# Altium PCB Copy of BGA_ACUity.PcbDoc (part 5 of 5)
Units mm, origin at the board's own origin, x right, y up, seen from the top; angles counter-clockwise.
Board outline 100 x 100.02 mm, 4 copper layers (TopSignal, Ground, Power, BottomSignal), stack 1.564 mm thick; 444 components, 319 nets, 2039 pads, 69 vias.
Unrouted connection lines stored in the file: 749.
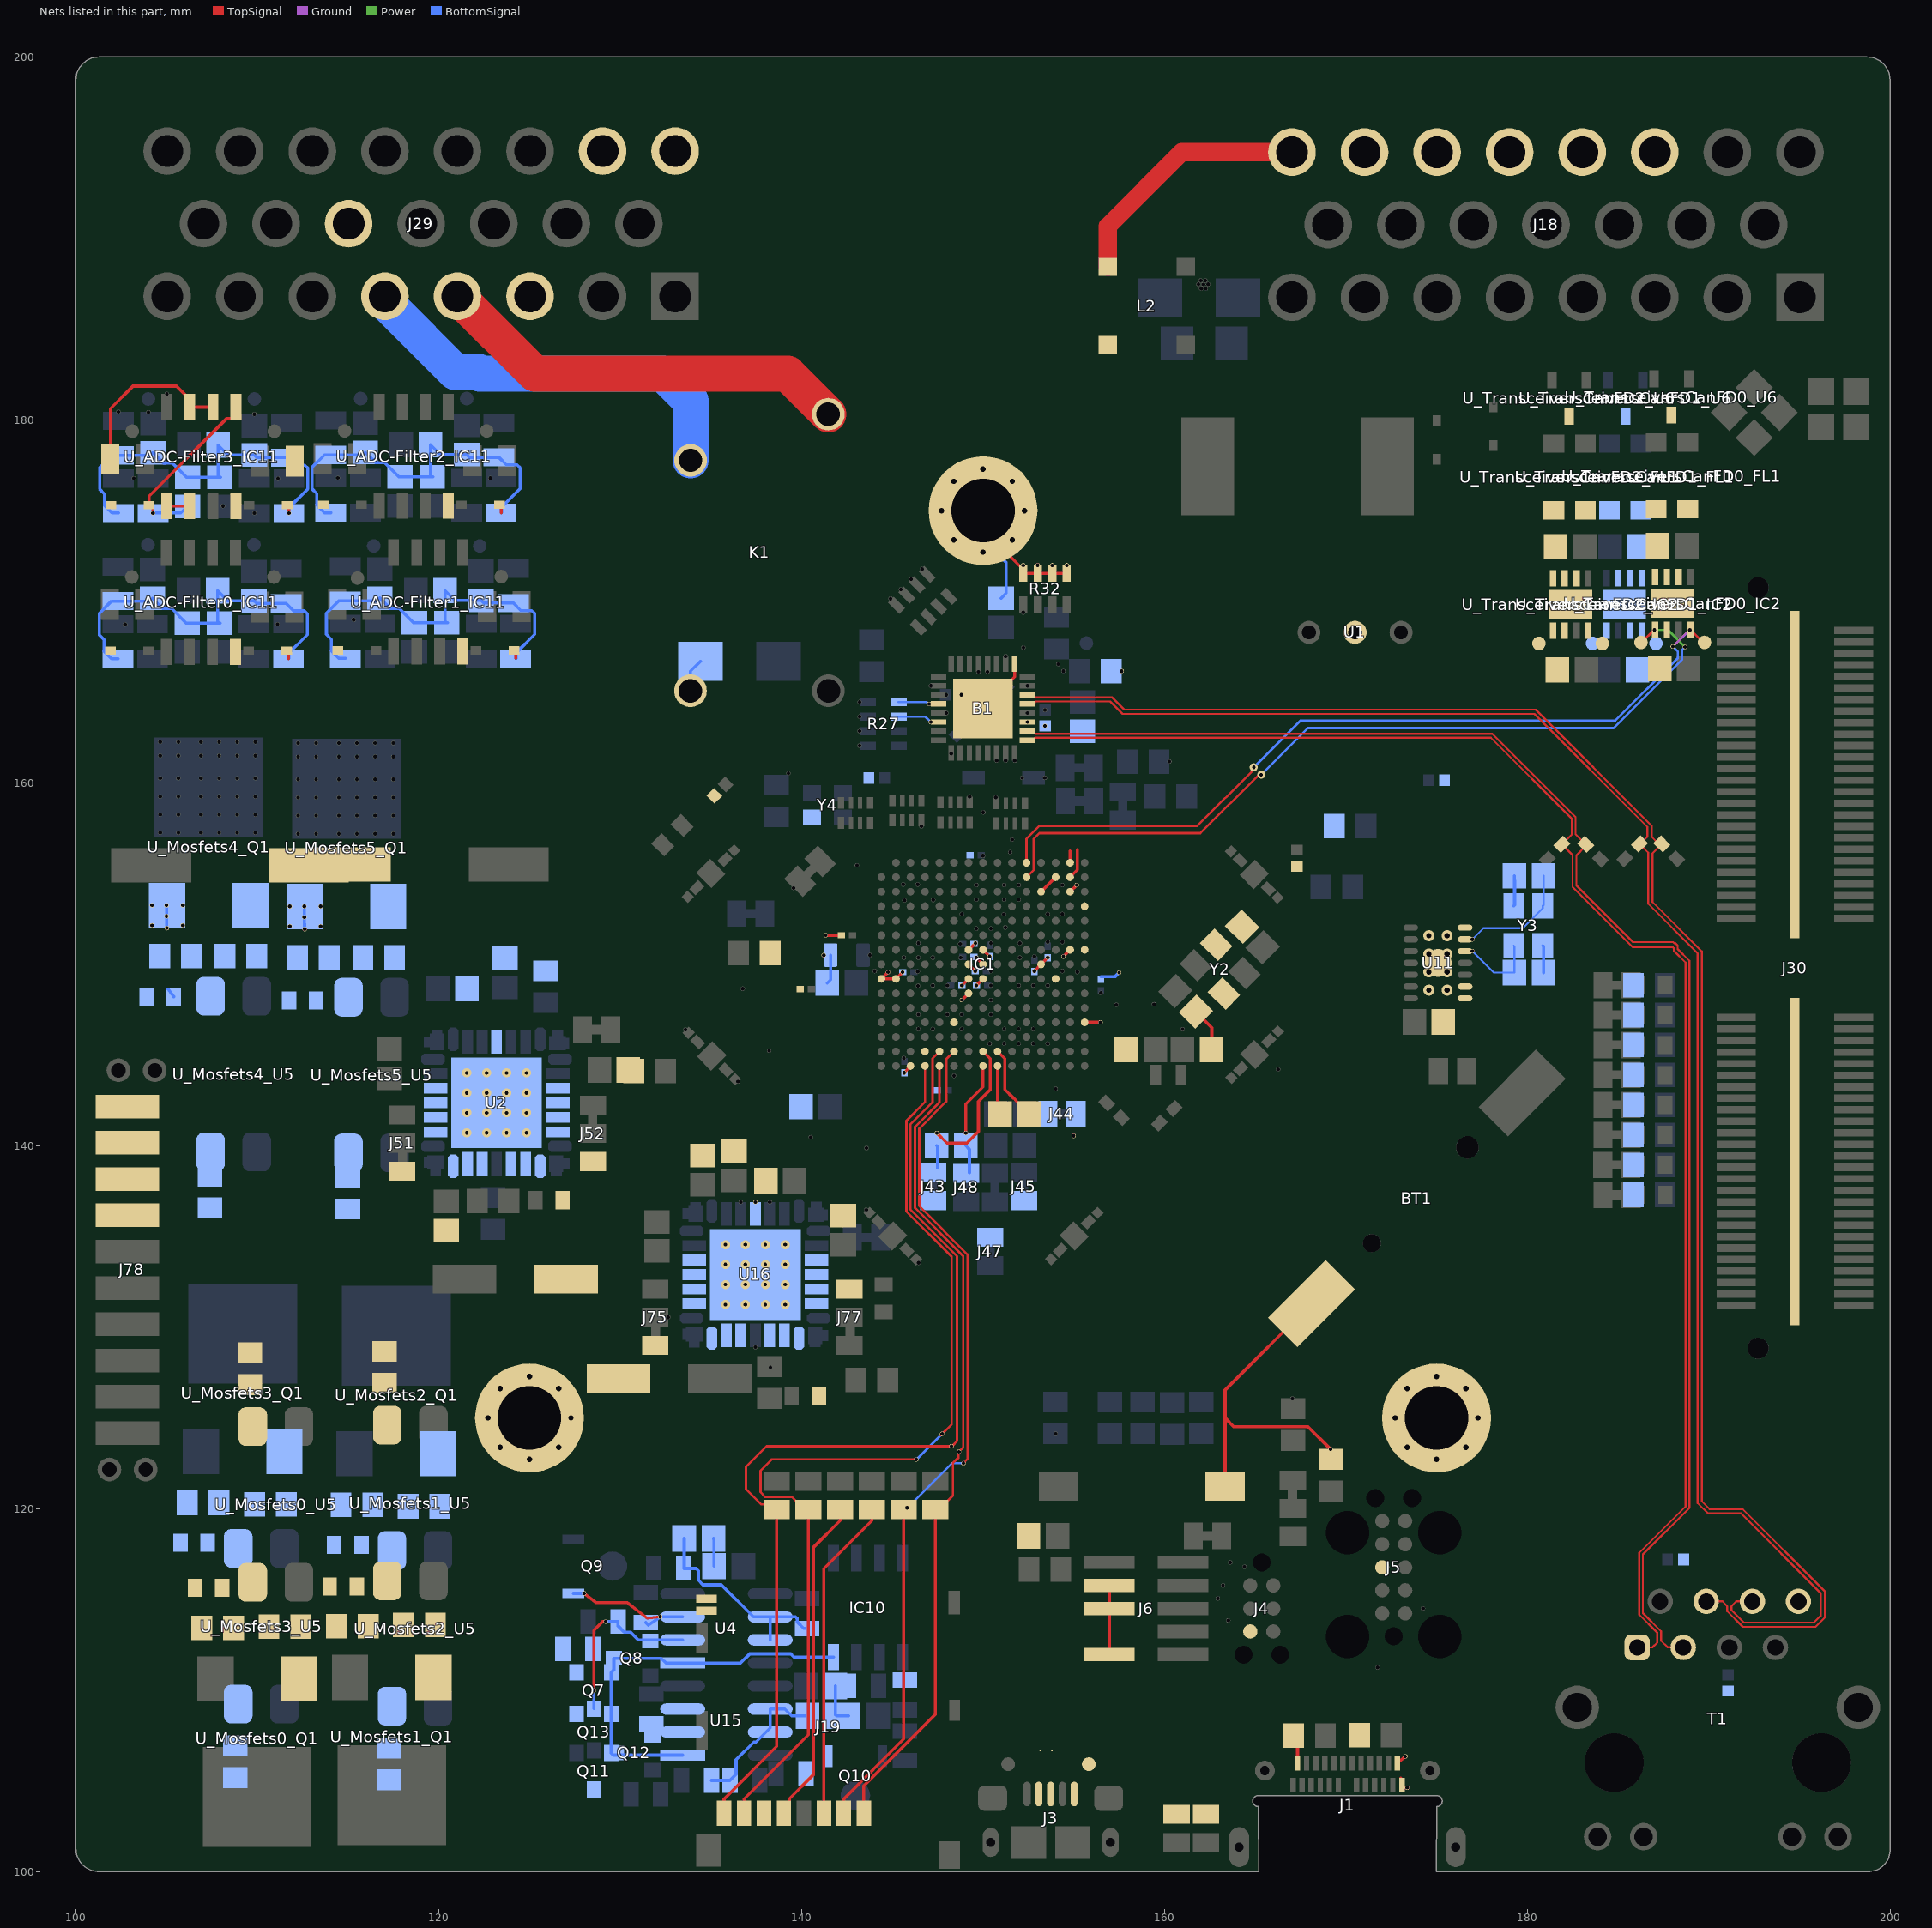
[diagram p7: the nets of this part, all layers, seen from the top]

## Via types
v1: diameter 0.5, hole 0.2, TopSignal to BottomSignal, 32 vias
v2: diameter 0.5, hole 0.3, TopSignal to BottomSignal, 24 vias
v3: diameter 0.6, hole 0.3, TopSignal to BottomSignal, 8 vias
v4: diameter 0.45, hole 0.2, TopSignal to BottomSignal, 5 vias

## Nets (pads, with @x,y where several pads share a name; then routed paths per layer and width w, separated by ;. In a path a pad name is that pad's centre, name@x,y a point inside that pad or via, vN(x,y) a via of type N, cw(c..) or ccw(c..) an arc to the next point about the centre after c; other vN are vias at no path point) (continued)
NetU_ADC-Filter3_C88_2: pad.1@104.247,174.872 U_ADC-Filter3_C88.2 U_ADC-Filter3_D23.2 U_ADC-Filter3_IC11.5 U_ADC-Filter3_R84.1 | length 10.2
  TopSignal w0.171: pad.1@104.247,174.872 104.242,174.877 104.242,175.174 104.102,175.314 U_ADC-Filter3_D23.2@104.032,175.314 104.032,175.795 108.303,180.066 108.604,180.066 108.819,180.281 U_ADC-Filter3_IC11.5@108.819,180.706
  BottomSignal w0.171: pad.1@104.247,174.872 105.786,174.872 U_ADC-Filter3_C88.2@106.152,175.238
NetU_ADC-Filter3_IC11_1: U_ADC-Filter3_IC11.1 U_ADC-Filter3_IC11.2 U_ADC-Filter3_R81.1 | length 1.3
  TopSignal w0.171: U_ADC-Filter3_IC11.1@105.009,175.256 U_ADC-Filter3_IC11.2@106.279,175.256
NetU_ADC-Filter3_IC11_6: U_ADC-Filter3_IC11.6 U_ADC-Filter3_IC11.7 U_ADC-Filter3_R82.2 | length 9.7
  TopSignal w0.171: U_ADC-Filter3_R82.2@101.907,177.861 101.907,180.627 103.146,181.866 105.544,181.866 106.279,181.131 U_ADC-Filter3_IC11.7@106.279,180.706 U_ADC-Filter3_IC11.6@107.549,180.706
NetU_Mosfets0_D16_A: U_Mosfets0_D16.A U_Mosfets0_R46.1
NetU_Mosfets0_Q1_1: U_Mosfets0_Q1.1 U_Mosfets0_R44.2
NetU_Mosfets0_R44_1: U_Mosfets0_R44.1 U_Mosfets0_R46.2 U_Mosfets0_U5.3
NetU_Mosfets0_R45_2: U_Mosfets0_R45.2 U_Mosfets0_U5.2
NetU_Mosfets1_D16_A: U_Mosfets1_D16.A U_Mosfets1_R46.1
NetU_Mosfets1_Q1_1: U_Mosfets1_Q1.1 U_Mosfets1_R44.2
NetU_Mosfets1_R44_1: U_Mosfets1_R44.1 U_Mosfets1_R46.2 U_Mosfets1_U5.3
NetU_Mosfets1_R45_2: U_Mosfets1_R45.2 U_Mosfets1_U5.2
NetU_Mosfets2_D16_A: U_Mosfets2_D16.A U_Mosfets2_R46.1
NetU_Mosfets2_Q1_1: U_Mosfets2_Q1.1 U_Mosfets2_R44.2
NetU_Mosfets2_R44_1: U_Mosfets2_R44.1 U_Mosfets2_R46.2 U_Mosfets2_U5.3
NetU_Mosfets2_R45_2: U_Mosfets2_R45.2 U_Mosfets2_U5.2
NetU_Mosfets3_D16_A: U_Mosfets3_D16.A U_Mosfets3_R46.1
NetU_Mosfets3_Q1_1: U_Mosfets3_Q1.1 U_Mosfets3_R44.2
NetU_Mosfets3_R44_1: U_Mosfets3_R44.1 U_Mosfets3_R46.2 U_Mosfets3_U5.3
NetU_Mosfets3_R45_2: U_Mosfets3_R45.2 U_Mosfets3_U5.2
NetU_Mosfets4_D16_A: U_Mosfets4_D16.A U_Mosfets4_R46.1
NetU_Mosfets4_Q1_1: U_Mosfets4_Q1.1 U_Mosfets4_R44.2
NetU_Mosfets4_R44_1: U_Mosfets4_R44.1 U_Mosfets4_R46.2 U_Mosfets4_U5.3
NetU_Mosfets4_R45_2: U_Mosfets4_R45.2 U_Mosfets4_U5.2
NetU_Mosfets5_D16_A: U_Mosfets5_D16.A U_Mosfets5_R46.1
NetU_Mosfets5_Q1_1: U_Mosfets5_Q1.1 U_Mosfets5_R44.2
NetU_Mosfets5_R44_1: U_Mosfets5_R44.1 U_Mosfets5_R46.2 U_Mosfets5_U5.3
NetU_Mosfets5_R45_2: U_Mosfets5_R45.2 U_Mosfets5_U5.2
NetU_TransceiversCanFD0_FL1_1: U_TransceiversCanFD0_FL1.1 U_TransceiversCanFD0_IC2.6
NetU_TransceiversCanFD0_FL1_4: U_TransceiversCanFD0_FL1.4 U_TransceiversCanFD0_IC2.7
NetU_TransceiversCanFD1_FL1_1: U_TransceiversCanFD1_FL1.1 U_TransceiversCanFD1_IC2.6
NetU_TransceiversCanFD1_FL1_4: U_TransceiversCanFD1_FL1.4 U_TransceiversCanFD1_IC2.7
NetU_TransceiversCanFD2_FL1_1: U_TransceiversCanFD2_FL1.1 U_TransceiversCanFD2_IC2.6
NetU_TransceiversCanFD2_FL1_4: U_TransceiversCanFD2_FL1.4 U_TransceiversCanFD2_IC2.7
"OSC 1_5": C13.2 pad.1@176.975,151.375 U11.6 Y3.1 | length 6.4
  BottomSignal w0.113: pad.1@176.975,151.375 177.591,151.991 179.747,151.991 180.855,153.1 Y3.1@180.855,153.225 180.893,153.263 C13.2@180.893,154.876
"OSC 2_5": C14.2 pad.1@176.975,150.725 U11.5 Y3.3 | length 4.3
  BottomSignal w0.113: pad.1@176.975,150.725 178.158,149.542 C14.2@179.293,149.542 179.293,150.987 Y3.3@179.255,151.025
Outdown_11: Q10.1 R74.1 U15.3
OUTPUT1: J78.01 U2.12 U2.13 U2.14 U2.15
OUTPUT2: J78.02 U2.27 U2.28 U2.29 U2.30
OUTPUT3: J78.03 U16.12 U16.13 U16.14 U16.15
OUTPUT4: J78.04 U16.27 U16.28 U16.29 U16.30
Outup_11: pad.1@128.013,115.333 pad.1@132.209,114.039 Q9.1 R70.1 U4.3 | length 7.5
  TopSignal w0.171: pad.1@128.013,115.333 128.629,114.86 128.675,114.825 130.375,114.825 131.497,113.964 131.565,113.964 131.575,113.965 pad.1@132.209,114.039
  BottomSignal w0.171: Q9.1@127.413,115.333 pad.1@128.013,115.333 ; R70.1@131.412,113.722 131.554,113.58 pad.1@132.209,114.039 U4.3@133.444,114.039
POWER_GND: C9.1 C64.2 C65.2 C66.2 C71.1 C72.1 C73.1 C74.2 C83.1 C84.1 C85.1 C86.1 C87.2 C89.2 C90.2 D14.K D24.K IC5.7 IC5.9 IC5.11 IC7.7 IC7.9 IC7.11 IC8.7 IC8.9 IC8.11 IC9.7 IC9.9 IC9.11 J29.16 J29.17 J51.P0 J52.P2 J59.P0 J60.P2 J63.P0 J64.P0 J66.P2 J67.P2 J68.P0 J72.P2 J75.P0 J77.P2 pad.1@104.197,152.151 pad.1@104.197,153.251 pad.1@104.997,152.651 pad.1@104.997,153.251 pad.1@105.017,151.997 pad.1@105.897,152.151 pad.1@105.897,153.251 pad.1@111.792,152.094 pad.1@111.792,153.194 pad.1@112.592,152.594 pad.1@112.592,153.194 pad.1@112.613,151.941 pad.1@113.492,152.094 pad.1@113.492,153.194 pad.1@137.45,136.9 R41.1 R42.2 R53.1 R54.1 R55.1 R67.1 R68.1 R69.2 U2.5 U2.18 U2.19 U2.20 U2.22 U2.23 U2.24 U3.4 U3.5 U3.14 U3.26 U16.5 U16.18 U16.19 U16.20 U16.22 U16.23 U16.24 U_Mosfets0_D16.K U_Mosfets1_D16.K U_Mosfets2_D16.K U_Mosfets3_D16.K U_Mosfets4_D16.K U_Mosfets4_Q1.3 U_Mosfets5_D16.K U_Mosfets5_Q1.3 VR1.3 | length 3
  BottomSignal w0.171: pad.1@104.997,153.251 105.002,152.659 105.009,152.006 pad.1@105.017,151.997 ; U_Mosfets4_D16.K@105.077,148.637 U_Mosfets4_D16.K@105.392,148.223 ; pad.1@112.592,153.194 112.598,152.602 112.605,151.95 pad.1@112.613,151.941
  other v1: 135.8,131.25 136.9,131.25 138,131.25 139.1,131.25 135.8,132.35 136.9,132.35 138,132.35 139.1,132.35 135.8,133.45 136.9,133.45 138,133.45 139.1,133.45 135.8,134.55 136.9,134.55 138,134.55 139.1,134.55 121.54,140.717 122.64,140.717 123.74,140.717 124.84,140.717 121.54,141.817 122.64,141.817 123.74,141.817 124.84,141.817 121.54,142.917 122.64,142.917 123.74,142.917 124.84,142.917 121.54,144.017 122.64,144.017 123.74,144.017 124.84,144.017
Pulse_11: Q7.1 Q13.1 R91.1
RAW_GND: J18.22 J18.23 J41.P0 L2.1 | length 14.1
  TopSignal w1: L2.1@156.879,188.434 156.879,190.689 160.952,194.762 J18.23@167.028,194.762
RX_CAN0: IC1.A11 pad.1@188.02,167.513 pad.1@188.963,168.426 U_TransceiversCanFD0_IC2.4 U_TransceiversCanFD0_TP6.P2 | length 44.6
  TopSignal w0.131: IC1.A11@152.4,155.6 152.4,156.921 153.103,157.624 161.815,157.624 164.922,160.731 v4(164.922,160.858) ; U_TransceiversCanFD0_IC2.4@188.995,168.443 188.995,168.426 189.678,167.743 U_TransceiversCanFD0_TP6.P2@189.77,167.743
  Ground w0.131: pad.1@188.02,167.513 188.035,167.513 188.948,168.426 pad.1@188.963,168.426
  BottomSignal w0.131: v4(164.922,160.858) 167.49,163.425 184.843,163.425 188.296,166.878 188.296,167.237 188.258,167.275 pad.1@188.02,167.513
RX_CAN1: IC1.D15 U_TransceiversCanFD1_IC2.4 U_TransceiversCanFD1_TP6.P2
RX_CAN2: U11.2 U_TransceiversCanFD2_IC2.4 U_TransceiversCanFD2_TP6.P2
RXCLK_7: B1.20 pad.1@147.025,164.35 R27.5 | length 1.7
  BottomSignal w0.131: R27.5@145.35,164.45 146.892,164.45 146.993,164.35 pad.1@147.025,164.35
SD_CD: IC1.K7 J19.9 J19.10 pad.1@148.832,148.032 | length 0.5
  TopSignal w0.171: pad.1@148.832,148.032 IC1.K7@149.2,148.4
SD_CLK: IC1.P4 J19.5 J56.P0 | length 18
  TopSignal w0.171: J19.5@139.026,103.214 139.338,103.526 139.338,104.022 140.647,105.331 140.647,117.862 142.125,119.34 J56.P0@142.125,119.95
SD_CMD: IC1.M6 J19.3 J55.P0 | length 17.8
  TopSignal w0.171: J19.3@141.226,103.214 141.226,116.691 143.875,119.34 J55.P0@143.875,119.95
SD_DATA0: IC1.R4 J19.7 J57.P0 pad.1@146.323,122.716 pad.1@147.752,124.13 | length 55.3
  TopSignal w0.131: J57.P0@140.375,119.95 140.175,119.95 139.467,120.658 137.981,120.658 137.733,120.906 137.733,122.094 138.355,122.716 pad.1@146.323,122.716 ; IC1.R4@146.8,144.4 146.8,142.404 145.771,141.375 145.771,136.38 148.273,133.878 148.273,124.651 pad.1@147.752,124.13 pad.1@147.672,124.05
  TopSignal w0.171: J19.7@136.826,103.214 136.826,103.999 140.375,107.548 J57.P0@140.375,119.95
  BottomSignal w0.131: pad.1@146.355,122.733 pad.1@147.752,124.13
SD_DATA1: IC1.P5 J19.8 J58.P0 pad.1@148.255,123.445 | length 56.7
  TopSignal w0.131: J58.P0@138.625,119.95 138.342,120.233 137.78,120.233 136.931,121.082 136.931,122.301 138.076,123.445 pad.1@148.255,123.445 ; IC1.P5@147.6,145.2 147.218,144.818 147.218,142.404 146.003,141.189 146.003,136.476 148.568,133.911 148.568,123.72 pad.1@148.327,123.478
  TopSignal w0.171: J19.8@135.726,103.214 135.726,103.999 138.625,106.898 J58.P0@138.625,119.95
SD_DATA2: IC1.R5 J19.1 J53.P0 pad.1@148.667,123.138 | length 45.2
  TopSignal w0.131: J53.P0@147.375,119.95 147.575,119.95 148.339,120.714 148.339,122.511 148.646,122.817 148.646,123.117 pad.1@148.667,123.138 148.908,123.38 148.908,133.922 146.25,136.581 146.25,141.041 147.6,142.392 IC1.R5@147.6,144.4
  TopSignal w0.171: J19.1@143.427,103.214 143.427,104.715 147.375,108.663 J53.P0@147.375,119.95
SD_DATA3: IC1.P6 J19.2 J54.P0 pad.1@145.815,120.049 pad.1@148.92,122.504 | length 46.9
  TopSignal w0.131: IC1.P6@148.4,145.2 147.98,144.78 147.98,142.443 146.482,140.945 146.482,136.677 149.141,134.019 149.141,122.725 pad.1@148.92,122.504
  TopSignal w0.171: J19.2@142.326,103.214 142.326,103.999 145.625,107.298 J54.P0@145.625,119.95
  BottomSignal w0.131: pad.1@145.847,120.066 148.285,122.504 pad.1@148.92,122.504
ShutdownIN_3: J29.4 K1.4 | length 23.1
  TopSignal w2: J29.4@121.031,186.818 125.299,182.55 139.235,182.55 K1.4@141.47,180.315
ShutdownOUT_3: J29.5 K1.3 | length 22.7
  BottomSignal w2: J29.5@117.031,186.818 117.031,186.649 117.343,186.336 117.343,186.206 120.897,182.653 122.151,182.653 122.253,182.55 132.375,182.55 133.88,181.045 K1.3@133.88,177.775
SIGNAL_GND: 1.1 B1.3 B1.9 B1.33 BT1.1 C1.1 C2.1 C3.1 C4.1 C5.1 C8.1 C10.1 C12.1 C13.1 C14.1 C15.1 C16.1 C17.1 C18.1 C19.1 C20.1 C21.1 C22.1 C23.2 C24.2 C25.2 C26.1 C29.1 C30.2 C31.1 C32.2 C33.1 C38.1 C39.1 C40.2 C41.1 C42.2 C43.2 C44.2 C45.2 C46.2 C47.2 C48.2 C49.1 C50.1 C51.1 C52.1 C53.1 C54.1 C55.1 C56.1 C58.1 C59.1 C60.1 C61.1 C62.1 C63.1 C67.1 C69.1 C75.1 C76.1 C77.1 D15.1 IC1.B13 IC1.C12 IC1.G7 IC1.G8 IC1.G14 IC1.G15 IC1.H7 IC1.H8 IC1.H12 IC1.J1 IC1.J2 IC1.J7 IC1.J8 IC1.J13 IC1.R3 IC6.2 IC6.4 IC10.4 J1.A1 J1.A12 J1.B1 J3.5 J4.5 J5.3 J6.03 J6.05 J6.09 J18.18 J18.19 J18.20 J18.21 J19.6 J29.3 J29.13 J30.G1 J30.G2 J32.P0 J36.1 J41.P1 J42.P0 J42.P1 J43.P1 J44.P1 J45.P1 J69.P1 J70.P1 K1.2 L2.2 MTH1.1 MTH2.1 MTH3.1 pad.1@111.74,174.872 pad.1@141.22,150.507 pad.1@141.326,151.6 pad.1@144.768,149.568 pad.1@145.568,149.568 pad.1@145.661,144.024 pad.1@148.805,164.85 pad.1@148.832,148.832 pad.1@149.568,149.632 pad.1@149.581,151.167 pad.1@149.632,148.832 pad.1@149.633,150.367 pad.1@150.368,150.432 pad.1@152.45,163.35 pad.1@152.216,171.988 pad.1@152.832,149.632 pad.1@153.014,171.991 pad.1@153.416,163.136 pad.1@153.568,150.368 pad.1@153.816,171.988 pad.1@154.432,150.432 pad.1@154.616,171.988 pad.1@157.5,149.546 pad.1@157.641,166.157 pad.1@169.158,123.277 pad.1@173.38,104.623 pad.1@173.279,106.35 Q7.2 Q8.3 Q11.2 Q12.3 Q13.2 R2.1 R3.1 R4.2 R11.2 R12.2 R13.2 R14.2 R15.2 R16.2 R17.2 R18.2 R20.2 R31.1 R32.1 R32.2 R32.3 R32.4 R37.1 R40.2 R47.2 R79.2 R92.1 R93.1 S1.2 T1.8 TP1.P2 U1.2 U4.1 U11.7 U11.15 U15.1 U_ADC-Filter0_C78.1 U_ADC-Filter0_C79.1 U_ADC-Filter0_C80.1 U_ADC-Filter0_C81.1 U_ADC-Filter0_C88.1 U_ADC-Filter0_D22.1 U_ADC-Filter0_D23.1 U_ADC-Filter0_IC11.4 U_ADC-Filter0_R85.1 U_ADC-Filter0_R86.1 U_ADC-Filter0_R87.2 U_ADC-Filter0_R88.1 U_ADC-Filter1_C78.1 U_ADC-Filter1_C79.1 U_ADC-Filter1_C80.1 U_ADC-Filter1_C81.1 U_ADC-Filter1_C88.1 U_ADC-Filter1_D22.1 U_ADC-Filter1_D23.1 U_ADC-Filter1_IC11.4 U_ADC-Filter1_R85.1 U_ADC-Filter1_R86.1 U_ADC-Filter1_R87.2 U_ADC-Filter1_R88.1 U_ADC-Filter2_C78.1 U_ADC-Filter2_C79.1 U_ADC-Filter2_C80.1 U_ADC-Filter2_C81.1 U_ADC-Filter2_C88.1 U_ADC-Filter2_D22.1 U_ADC-Filter2_D23.1 U_ADC-Filter2_IC11.4 U_ADC-Filter2_R85.1 U_ADC-Filter2_R86.1 U_ADC-Filter2_R87.2 U_ADC-Filter2_R88.1 U_ADC-Filter3_C78.1 U_ADC-Filter3_C79.1 U_ADC-Filter3_C80.1 U_ADC-Filter3_C81.1 U_ADC-Filter3_C88.1 U_ADC-Filter3_D22.1 U_ADC-Filter3_D23.1 U_ADC-Filter3_IC11.4 U_ADC-Filter3_R85.1 U_ADC-Filter3_R86.1 U_ADC-Filter3_R87.2 U_ADC-Filter3_R88.1 U_Mosfets0_R45.1 U_Mosfets1_R45.1 U_Mosfets2_R45.1 U_Mosfets3_R45.1 U_Mosfets4_R45.1 U_Mosfets5_R45.1 U_TransceiversCanFD0_C6.1 U_TransceiversCanFD0_C7.1 U_TransceiversCanFD0_IC2.2 U_TransceiversCanFD0_IC2.8 U_TransceiversCanFD0_IC2.9 U_TransceiversCanFD0_U6.3 U_TransceiversCanFD1_C6.1 U_TransceiversCanFD1_C7.1 U_TransceiversCanFD1_IC2.2 U_TransceiversCanFD1_IC2.8 U_TransceiversCanFD1_IC2.9 U_TransceiversCanFD1_U6.3 U_TransceiversCanFD2_C6.1 U_TransceiversCanFD2_C7.1 U_TransceiversCanFD2_IC2.2 U_TransceiversCanFD2_IC2.8 U_TransceiversCanFD2_IC2.9 U_TransceiversCanFD2_U6.3 Y2.2 Y2.4 Y3.2 Y3.4 Y4.2 | length 169.7
  TopSignal w0.102: IC1.J13@154,149.149 IC1.J13@154,149.2
  TopSignal w0.171: U_ADC-Filter0_D22.1@111.628,167.283 111.698,167.283 111.716,166.841 ; U_ADC-Filter3_D22.1@111.652,175.314 111.722,175.314 pad.1@111.74,174.872 ; U_ADC-Filter2_D22.1@123.356,175.334 123.426,175.334 123.444,174.892 ; U_ADC-Filter1_D22.1@124.157,167.3 124.227,167.3 124.245,166.858 ; pad.1@141.326,151.6 C43.2@142.05,151.6 ; pad.1@144.768,149.568 IC1.J1@144.4,149.2 IC1.J2@145.2,149.2 pad.1@145.568,149.568 ; pad.1@145.661,144.024 IC1.R3@146,144.4 ; pad.1@148.832,148.832 IC1.J7@149.2,149.2 IC1.J7@149.203,149.203 ; IC1.G7@149.2,150.8 149.219,150.799 pad.1@149.581,151.161 ; IC1.H7@149.203,149.997 IC1.H7@149.2,150 pad.1@149.568,149.632 ; IC1.G7@149.205,150.8 IC1.G7@149.209,150.797 ; pad.1@149.632,148.832 IC1.J8@150,149.2 ; pad.1@149.633,150.367 IC1.H8@150,150 ; IC1.G8@150,150.731 IC1.G8@150,150.8 ; IC1.G8@150,150.869 IC1.G8@150,150.8 ; B1.33@150,164.1 151.75,165.85 B1.9@151.75,166.55 ; pad.1@150.368,150.432 IC1.G8@150,150.8 ; v2(151.616,173.384) 151.394,173.161 151.394,172.585 152.216,171.763 R32.4@152.216,171.538 R32.3@153.016,171.538 R32.2@153.816,171.538 R32.1@154.616,171.538 ; pad.1@152.832,149.632 IC1.H12@153.2,150 pad.1@153.568,150.368 ; IC1.C12@153.2,154 IC1.B13@154,154.8 ; pad.1@154.432,150.432 IC1.G14@154.8,150.8 ; J6.09@156.965,111.96 J6.05@156.965,114.5 J6.03@156.965,115.77 ; C2.1@161.729,147.389 162.611,146.507 162.611,145.323 C4.1@162.587,145.299 ; S1.2@163.34,121.25 163.34,125 ; R2.1@167.125,107.5 167.338,107.287 J1.A1@167.338,105.976 ; BT1.1@168.109,131.309 163.34,126.54 163.34,125 ; pad.1@169.158,123.277 167.91,124.525 163.815,124.525 163.34,125 ; R4.2@170.753,107.518 R4.2@171.04,107.805 ; J1.A12@172.838,105.976 172.882,106.02 pad.1@173.279,106.35 ; J1.B1@173.023,105.155 173.023,104.841 J1.B1@173.088,104.776 173.088,104.687 173.153,104.623 pad.1@173.38,104.623 pad.1@173.431,104.623
  BottomSignal w0.171: U_ADC-Filter0_R88.1@102.318,166.841 101.968,166.841 101.553,167.256 101.553,167.891 101.281,168.164 101.281,169.329 101.968,170.016 U_ADC-Filter0_R87.2@102.318,170.016 104.073,170.016 U_ADC-Filter0_C79.1@104.223,170.166 104.788,169.601 105.284,169.601 106.078,168.807 U_ADC-Filter0_C78.1@107.906,168.807 ; U_ADC-Filter3_R88.1@102.342,174.872 101.992,174.872 101.577,175.287 101.577,175.922 101.305,176.195 101.305,177.36 101.992,178.047 U_ADC-Filter3_R87.2@102.342,178.047 104.097,178.047 U_ADC-Filter3_C79.1@104.247,178.197 104.812,177.632 105.308,177.632 106.102,176.838 U_ADC-Filter3_C88.1@106.152,176.838 U_ADC-Filter3_C78.1@107.93,176.838 ; U_ADC-Filter0_C78.1@107.956,168.807 U_ADC-Filter0_C78.1@107.906,168.807 ; U_ADC-Filter3_C78.1@107.98,176.838 U_ADC-Filter3_C78.1@107.93,176.838 ; U_ADC-Filter0_R85.1@111.716,166.841 111.731,166.856 111.731,167.142 112.753,168.164 112.753,169.318 112.597,169.474 112.004,169.474 U_ADC-Filter0_R86.1@111.589,169.889 109.961,169.889 U_ADC-Filter0_C80.1@109.811,170.039 108.363,170.039 U_ADC-Filter0_C81.1@107.817,170.585 107.817,168.896 U_ADC-Filter0_C78.1@107.906,168.807 ; pad.1@111.74,174.872 111.755,174.887 111.755,175.173 112.777,176.195 112.777,177.349 112.621,177.505 112.028,177.505 U_ADC-Filter3_R86.1@111.613,177.92 109.985,177.92 U_ADC-Filter3_C80.1@109.835,178.07 108.387,178.07 U_ADC-Filter3_C81.1@107.841,178.616 107.841,176.927 U_ADC-Filter3_C78.1@107.93,176.838 ; U_ADC-Filter2_R88.1@114.046,174.892 113.696,174.892 113.281,175.307 113.281,175.942 113.009,176.215 113.009,177.38 113.696,178.067 U_ADC-Filter2_R87.2@114.046,178.067 115.801,178.067 U_ADC-Filter2_C79.1@115.951,178.217 116.516,177.652 117.012,177.652 117.806,176.858 U_ADC-Filter2_C78.1@119.634,176.858 ; U_ADC-Filter1_R88.1@114.847,166.858 114.497,166.858 114.083,167.273 114.083,167.909 113.81,168.181 113.81,169.346 114.497,170.033 U_ADC-Filter1_R87.2@114.847,170.033 116.602,170.033 U_ADC-Filter1_C79.1@116.752,170.183 117.317,169.619 117.813,169.619 118.607,168.824 U_ADC-Filter1_C78.1@120.435,168.824 ; U_ADC-Filter2_C78.1@119.684,176.858 U_ADC-Filter2_C78.1@119.634,176.858 ; U_ADC-Filter1_C78.1@120.485,168.824 U_ADC-Filter1_C78.1@120.435,168.824 ; U_ADC-Filter2_R85.1@123.444,174.892 123.459,174.907 123.459,175.193 124.481,176.215 124.481,177.369 124.325,177.525 123.732,177.525 U_ADC-Filter2_R86.1@123.317,177.94 121.689,177.94 U_ADC-Filter2_C80.1@121.539,178.09 120.091,178.09 U_ADC-Filter2_C81.1@119.545,178.636 119.545,176.947 U_ADC-Filter2_C78.1@119.634,176.858 ; U_ADC-Filter1_R85.1@124.245,166.858 124.26,166.873 124.26,167.159 125.282,168.181 125.282,169.336 125.126,169.492 124.533,169.492 U_ADC-Filter1_R86.1@124.118,169.906 122.49,169.906 U_ADC-Filter1_C80.1@122.34,170.056 120.892,170.056 U_ADC-Filter1_C81.1@120.346,170.602 120.346,168.913 U_ADC-Filter1_C78.1@120.435,168.824 ; U15.1@133.444,106.419 129.61,106.419 Q11.2@129.499,106.53 Q13.2@129.499,108.689 Q7.2@129.499,110.975 129.65,111.126 Q8.3@129.65,111.753 132.266,111.753 132.52,111.499 U4.1@133.444,111.499 136.643,111.499 137.141,111.997 139.401,111.997 139.576,111.822 IC10.4@141.757,111.822 ; K1.2@133.875,165.075 133.875,166.15 D15.1@134.425,166.7 ; C67.1@135.139,118.357 135.179,118.317 C69.1@135.179,116.833 ; C39.1@141.415,148.971 141.6,149.156 C41.1@141.6,150.507 ; C77.1@141.87,110.229 141.87,108.636 C76.1@141.928,108.578 C75.1@142.603,108.578 ; MTH1.1@150,175 150,173.423 151.275,172.148 151.275,170.45 C23.2@151,170.175 ; C47.2@156.489,149.311 157.265,149.311 pad.1@157.5,149.546 ; Y3.4@179.255,153.225 179.3,153.27 179.3,154.625 179.293,154.632 C13.1@179.293,154.876 ; Y3.2@180.855,151.025 180.893,150.987 C14.1@180.893,149.542
  other v2: 125,122.714 175,122.714 123.384,123.384 126.616,123.384 173.384,123.384 176.616,123.384 122.714,125 127.286,125 172.714,125 177.286,125 123.384,126.616 126.616,126.616 173.384,126.616 176.616,126.616 125,127.286 175,127.286 150,172.714 148.384,173.384 147.714,175 152.286,175 148.384,176.616 151.616,176.616 150,177.286
  other v3: 174.575,148.575 175.575,148.575 174.575,149.575 175.575,149.575 174.575,150.575 175.575,150.575 174.575,151.575 175.575,151.575
  other v4: 151.616,173.384
SupplyDown_11: C76.2 R75.2 R78.2 U15.6 U15.7 | length 8.2
  BottomSignal w0.171: R78.2@135.031,105.022 R75.2@136.048,105.022 136.388,105.361 136.388,106.164 137.363,107.139 137.488,107.139 138.271,107.922 U15.6@138.271,108.959 139.072,108.959 139.281,108.75 139.281,108.747 139.45,108.578 C76.2@140.317,108.578
Supplyup_11: C67.2 R71.2 R73.2 U4.6 U4.7 | length 11.5
  BottomSignal w0.171: C67.2@133.528,118.357 133.528,116.726 R71.2@133.507,116.706 134.188,116.706 134.319,116.576 134.319,116.048 134.56,115.807 135.579,115.807 137.347,114.039 U4.6@138.271,114.039 ; U4.7@138.271,112.769 U4.6@138.271,114.039 ; R73.2@140.302,113.404 140.106,113.404 139.767,113.743 139.767,113.939 139.667,114.039 U4.6@138.271,114.039
TP_A_N: B1.2 R23.2 T1.3 | length 84.8
  TopSignal w0.108: B1.2@152.45,162.85 152.725,162.85 152.875,162.7 178.075,162.7 182.66,158.115 182.66,157.165 R23.2@183.218,156.607 183.218,156.518 182.702,156.002 182.702,154.345 185.822,151.225 188.033,151.225 188.098,151.16 188.162,151.16 188.285,151.037 188.285,150.842 188.935,150.192 188.935,120.038 186.375,117.478 186.375,114.247 187.379,113.243 187.379,112.725 187.732,112.372 188.573,112.372 T1.3@188.595,112.35
TP_A_P: B1.1 R24.2 T1.1 | length 84.4
  TopSignal w0.108: B1.1@152.45,162.35 152.725,162.35 152.866,162.49 177.988,162.49 182.45,158.028 182.45,157.15 R24.2@181.907,156.607 182.492,156.022 182.492,154.258 185.8,150.95 188.012,150.95 188.075,150.887 188.075,150.755 188.725,150.105 188.725,120.125 186.165,117.565 186.165,114.16 187.169,113.156 187.169,112.623 186.896,112.35 T1.1@186.055,112.35
TP_B_N: B1.5 R21.2 T1.6 | length 92.8
  TopSignal w0.108: B1.5@152.45,164.35 152.546,164.445 152.865,164.445 152.909,164.49 157.003,164.49 157.692,163.8 180.394,163.8 186.619,157.575 186.619,157.025 186.225,156.632 R21.2@186.182,156.632 186.665,156.149 186.665,153.337 189.39,150.612 189.39,120.311 189.953,119.748 191.769,119.748 196.165,115.352 196.165,114.095 195.795,113.725 191.941,113.725 191.253,114.413 191.253,114.625 191.518,114.89 T1.6@192.405,114.89
TP_B_P: B1.6 R22.2 T1.4 | length 94.1
  TopSignal w0.108: B1.6@152.45,164.85 152.725,164.85 152.85,164.725 157.1,164.725 157.79,164.035 180.455,164.035 186.854,157.637 186.854,157.025 187.248,156.632 R22.2@187.418,156.632 186.9,156.113 186.9,153.434 189.625,150.709 189.625,120.408 190.05,119.983 191.867,119.983 196.4,115.45 196.4,113.997 195.893,113.49 191.88,113.49 191.017,114.352 191.017,114.625 190.752,114.89 T1.4@189.865,114.89
TriggerDown_11: Q11.3 Q12.1 R77.2 U15.2
Triggerup_11: pad.1@128.549,109.975 pad.1@129.201,113.785 Q7.3 Q8.1 R72.2 U4.2 | length 10
  TopSignal w0.171: pad.1@128.549,109.975 128.549,113.276 128.572,113.299 128.572,113.322 129.02,113.77 129.186,113.77 pad.1@129.201,113.785
  BottomSignal w0.171: Q7.3@128.549,108.975 pad.1@128.549,109.975 ; pad.1@129.201,113.785 R72.2@129.882,113.785 129.882,113.535 130.222,113.195 130.575,113.195 131.001,112.769 U4.2@133.444,112.769
TX_CAN0: IC1.B11 pad.1@187.013,168.426 pad.1@188.697,167.488 U_TransceiversCanFD0_IC2.1 U_TransceiversCanFD0_TP5.P2 | length 46
  TopSignal w0.131: IC1.B11@152.4,154.8 152.798,155.198 152.798,156.921 153.103,157.226 161.98,157.226 165.204,160.45 v4(165.33,160.45) ; U_TransceiversCanFD0_TP5.P2@186.27,167.743 186.3,167.743 187,168.443 U_TransceiversCanFD0_IC2.1@187.045,168.443
  Power w0.131: pad.1@187.013,168.426 187.758,168.426 pad.1@188.697,167.488
  BottomSignal w0.131: v4(165.33,160.45) 167.898,163.017 184.764,163.017 188.528,166.782 188.528,167.319 pad.1@188.697,167.488
TX_CAN1: IC1.C14 pad.1@155.168,154.368 U_TransceiversCanFD1_IC2.1 U_TransceiversCanFD1_TP5.P2 | length 0.5
  TopSignal w0.171: IC1.C14@154.8,154 pad.1@155.168,154.368
TX_CAN2: U11.1 U_TransceiversCanFD2_IC2.1 U_TransceiversCanFD2_TP5.P2
TXCLK_7: B1.22 pad.1@147.125,163.35 R27.6 | length 1.9
  BottomSignal w0.131: R27.6@145.35,163.65 146.825,163.65 pad.1@147.125,163.35
USB_DEBUG_N: IC1.B14 J3.2 TP3.P2 | length 1.7
  TopSignal w0.171: IC1.B14@154.8,154.8 155.2,155.2 155.2,156.325
USB_DEBUG_P: IC1.A14 J3.3 TP2.P2 | length 0.7
  TopSignal w0.171: IC1.A14@154.8,155.6 154.8,156.25
VREFH0_8: C37.2 IC1.R9 J47.P1 | length 2.7
  TopSignal w0.171: IC1.R9@150.8,144.4 150.8,141.9 C37.2@150.95,141.75
VREFH_8: C34.2 IC1.R8 J48.P1 pad.1@149.05,140.7 | length 5.7
  TopSignal w0.171: pad.1@149.05,140.7 149.05,142.3 150,143.25 IC1.R8@150,144.4
  BottomSignal w0.171: C34.2@149.05,140 149.25,139.8 J48.P1@149.25,138.525
VREFL0_8: C37.1 IC1.P9 J44.P0 pad.1@155,140.55 | length 4.2
  TopSignal w0.171: IC1.P9@150.8,145.2 151.2,144.8 151.2,143.1 151.663,142.637 151.677,142.637 151.787,142.527 151.787,142.513 151.935,142.365 151.985,142.365 152.55,141.8 C37.1@152.55,141.75
VREFL_8: C34.1 IC1.P8 J43.P0 pad.1@147.45,140.7 | length 8.9
  TopSignal w0.171: pad.1@147.45,140.7 148.003,140.147 149.113,140.147 149.75,140.784 149.75,142.435 150.4,143.085 150.4,144.8 IC1.P8@150,145.2
  BottomSignal w0.171: C34.1@147.45,140 147.5,139.95 J43.P0@147.5,138.775
WatchdogPulse: IC1.M15 pad.1@156.479,146.8 R91.2 | length 0.9
  TopSignal w0.171: IC1.M15@155.6,146.8 pad.1@156.479,146.8 pad.1@156.5,146.821
pads on no net: B1.27 B1.28 B1.29 BT1. IC1.A7 IC1.A10 IC1.A12 IC1.A15 IC1.B1 IC1.B6 IC1.B7 IC1.B10 IC1.B12 IC1.B15 IC1.C1 IC1.C5 IC1.C6 IC1.C7 IC1.C11 IC1.C15 IC1.D1 IC1.D2 IC1.D4 IC1.D6 IC1.D7 IC1.D11 IC1.D12 IC1.D13 IC1.D14 IC1.E1 IC1.E2 IC1.E3 IC1.E4 IC1.E5 IC1.E6 IC1.E8 IC1.E11 IC1.E14 IC1.F2 IC1.F3 IC1.F4 IC1.F5 IC1.F6 IC1.F7 IC1.F10 IC1.F11 IC1.F14 IC1.F15 IC1.G3 IC1.G5 IC1.G10 IC1.G13 IC1.K1 IC1.K2 IC1.K3 IC1.K4 IC1.K5 IC1.K6 IC1.K8 IC1.K10 IC1.K11 IC1.K12 IC1.K13 IC1.L1 IC1.L2 IC1.L3 IC1.L5 IC1.L8 IC1.L10 IC1.L14 IC1.L15 IC1.M1 IC1.M2 IC1.M3 IC1.M8 IC1.M12 IC1.M13 IC1.N1 IC1.N2 IC1.N3 IC1.N4 IC1.N5 IC1.N6 IC1.N7 IC1.N13 IC1.N14 IC1.N15 IC1.P1 IC1.P2 IC1.P10 IC1.P11 IC1.P12 IC1.P13 IC1.R1 IC1.R2 IC1.R11 IC1.R12 J1.A2 J1.A3 J1.A6 J1.A7 J1.A8 J1.A9 J1.A10 J1.A11 J1.B2 J1.B3 J1.B6 J1.B7 J1.B8 J1.B9 J1.B10 J1.B11 J1.B12 J1.S4 J2._ J3.4 J4.H0 J5.7 J5.9 J5.H0 J7._ J8._ J9._ J10._ J11._ J12._ J13._ J14._ J15._ J16._ J17._ J18.3 J18.11 J27._ J30. J30.06 J30.07 J30.08 J30.14 J30.15 J30.16 J30.17 J30.18 J30.19 J30.20 J30.21 J30.22 J30.23 J30.24 J30.25 J30.26 J30.27 J30.28 J30.29 J30.30 J30.31 J30.32 J30.33 J30.34 J30.35 J30.36 J30.37 J30.38 J30.39 J30.40 J30.41 J30.42 J30.43 J30.44 J30.45 J30.46 J30.47 J30.48 J30.49 J30.50 J30.51 J30.52 J30.53 J30.54 J30.55 J30.56 J30.57 J30.58 J30.59 J30.60 J30.61 J30.62 J30.63 J30.64 J30.65 J30.66 J30.67 J30.68 J30.69 J30.70 J30.71 J30.72 J30.73 J30.74 J30.75 J30.76 J30.77 J30.78 J30.79 J30.80 J30.81 J30.82 J30.83 J30.84 J30.85 J30.86 J30.87 J30.88 J30.89 J30.90 J30.91 J30.92 J30.93 J30.94 J30.95 J30.96 J30.97 J30.98 J30.99 J30.100 J30.102 J30.104 J32._ J33._ J34._ J35._ J36.2 J37.2 J38.2 J39.2 J40.2 J42._ J43._ J44._ J45._ J46._ J47._ J48._ J49.P0 J49.P1 J50._ J51._ J52._ J59._ J60._ J61._ J62._ J63._ J64._ J65._ J66._ J67._ J68._ J72._ J73._ J74._ J75._ J76._ J77._ J78.05 J78.06 J78.07 J78.08 J78.09 J78.10 J78.S1 J78.S2 J78.S3 J78.S4 R27.7 R28.1 R33.2 R33.7 R34.1 R34.2 R34.7 R34.8 R94.1 R95.1 T1.7 T1.MH1 T1.MH2 U2.9 U2.17 U2.25 U3.9 U3.13 U3.15 U11.3 U16.9 U16.17 U16.25 VR1.1 Y4.1

## Polygon pours and split planes (outlines as drawn)
NetU_Mosfets4_D16_A on BottomSignal "NETU_MOSFETS4_D16_A_L04_P012" (solid, remove dead copper, pour order 12): 104.046,151.126 104.046,149.777 103.492,148.723 103.492,147.723 104.508,147.723 104.508,148.739 105.196,149.777 105.196,151.126
NetU_Mosfets5_Q1_1 on BottomSignal "NETU_MOSFETS5_Q1_1_L04_P017" (solid, pour order 17): 116.21,151.852 116.992,151.069 116.992,149.719 118.38,149.682 118.38,151.107 118.216,151.941 118.216,154.03 116.245,154.03 116.21,153.994
NetU_Mosfets5_D16_A on BottomSignal "NETU_MOSFETS5_D16_A_L04_P011" (solid, pour order 11): 111.642,151.069 111.642,149.72 111.321,148.5 111.321,147.5 112.375,147.5 112.375,148.5 112.792,149.72 112.792,151.069
NetU_Mosfets5_R44_1 on BottomSignal "NETU_MOSFETS5_R44_1_L04_P009" (solid, remove dead copper, pour order 9): 113.392,151.094 116.392,151.094 116.392,149.719 115.807,148.865 115.807,147.854 114.246,147.854 114.246,148.865 113.392,149.719
OUTPUT2 on BottomSignal "NONET_L04_P008" (solid, remove dead copper, shelved, pour order 8): 125.65,145.074 120.628,145.12 120.628,143.674 117.275,143.674 117.275,146.179 104.747,146.179 104.747,144.063 101.247,144.063 101.27,142.702 104.747,142.702 108.986,142.702 108.986,140.674 120.65,140.637 120.65,140.074 125.65,140.098
MOSFETS4 on Power "MOSFETS4_L03_P020" (solid, pour order 20): 104.647,162.251 109.897,162.251 109.897,157.251 104.647,157.251

## Other copper
TopSignal:

## Silkscreen, mask and mechanical layers (free items; w line width, h text height)
Top Overlay:
  lines w0.254: 171.105,114.25 171.423,114.25 ; 172.325,114.23 172.797,113.758 173.783,113.758 ; 172.561,114.161 cw(c173.275,114.161) 173.275,114.875 ; 173.27,115.107 173.275,114.875 ; 174.017,113.991 174.418,116.345 174.779,114.341 174.25,114.225 ; 174.549,116.311 175.5,114.5 174.25,114.225 ; 176.905,113.418 178,113.75 ; 177.155,112.918 179.25,113.5 ; 177.405,112.418 178.5,112.75 ; 173.275,114.875 cw(c173.275,114.367) 173.783,114.367 173.783,113.758 ; 173.783,113.758 174.25,114.225
  text "Vroom Vroom" at 175.349,115.712 h0.6
Mechanical 1:
  the board outline again, w0.254
Bottom Component Center:
  text "Feito pelo Chen" at 130.229,122.112 h1.52

## Text inside footprints (layer, text, board x,y; h text height)
BT1: Top Overlay "+" at 182.162,144.938 h1 r135
C30: Top Overlay "+" at 229.663,246.912 h1.22 r90
C32: Top Overlay "+" at 238.613,246.912 h1.22 r90
C48: Top Overlay "+" at 290.949,273.021 h1.22 r90
C74: Top Overlay "+" at 137.55,126.65 h1.22
C87: Top Overlay "+" at 101.65,155.95 h1.22 r180
C89: Top Overlay "+" at 119.375,133.15 h1.22 r180
C90: Top Overlay "+" at 126.35,155 h1.22
D1: Mechanical 13 "+" at 185.545,136.689 h0.5 r180
D2: Mechanical 13 "+" at 185.533,138.34 h0.5 r180
D3: Mechanical 13 "+" at 185.533,139.991 h0.5 r180
D4: Mechanical 13 "+" at 185.533,141.642 h0.5 r180
D5: Mechanical 13 "+" at 185.533,143.293 h0.5 r180
D6: Mechanical 13 "+" at 185.533,144.944 h0.5 r180
D7: Mechanical 13 "+" at 185.533,146.595 h0.5 r180
D8: Mechanical 13 "+" at 185.533,148.246 h0.5 r180
D11: Mechanical 13 "+" at 266.966,246.546 h0.5
D13: Mechanical 13 "+" at 145.134,130.281 h0.5 r270
D14: Mechanical 13 "+" at 124.758,136.392 h0.5 r180
D17: Mechanical 13 "+" at 133.382,158.48 h0.5 r45
D24: Mechanical 13 "+" at 138.883,125.617 h0.5 r180
IC1: Top Overlay "Deves ver isto a soldar" at 144.514,142.736 h0.5; Top Overlay "A" at 142.102,155.434 h1 r90; Top Overlay "15" at 155.383,157.618 h1; Top Overlay "224 BGA( o chines gamou o primeiro)" at 147.739,156.079 h0.25; Top Overlay "1" at 144.207,157.745 h1; Top Overlay "R" at 142.382,144.182 h1 r90; Top Overlay "A" at 142.1,155.436 h1 r90; Top Overlay "15" at 155.381,157.621 h1; Top Overlay "1" at 144.205,157.748 h1; Top Overlay "R" at 142.379,144.184 h1 r90
J1: Mechanical 13 "PCB EDGE" at 177.088,100.146 h1.02
J18: Mechanical 13 "VALUE" at 202.953,225 h1.78 r180; Mechanical 13 "NAME" at 211.443,184.159 h1.78 r180
J29: Mechanical 13 "NAME" at 149.446,184.215 h1.78 r180; Mechanical 13 "VALUE" at 140.956,225.056 h1.78 r180
U2: Bottom Overlay "Obg Dr. Bruno / (Tirei as caries)" at 118.88,146.687 h0.6 r90
U3: Top Overlay "*" at 260.06,194.101 h1.27 r90; Mechanical 13 "*" at 260.06,196.458 h1.27 r90
U16: Bottom Overlay "Obg Dr. Bruno / (Tirei as caries)" at 133.14,137.22 h0.6 r90
U_Mosfets0_D16: Mechanical 13 "+" at 106.003,115.023 h0.5 r180
U_Mosfets1_D16: Mechanical 13 "+" at 113.419,115.108 h0.5 r180
U_Mosfets2_D16: Mechanical 13 "+" at 113.673,118.615 h0.5
U_Mosfets3_D16: Mechanical 13 "+" at 105.201,118.729 h0.5
U_Mosfets4_D16: Mechanical 13 "+" at 103.325,148.831 h0.5
U_Mosfets5_D16: Mechanical 13 "+" at 111.183,148.608 h0.5